# Altium PCB inj_meas.PcbDoc
Units mm, origin at the board's own origin, x right, y up, seen from the top; angles counter-clockwise.
Board outline 90 x 70 mm, 2 copper layers (Top Layer, Bottom Layer); 120 components, 55 nets, 294 pads, 47 vias.
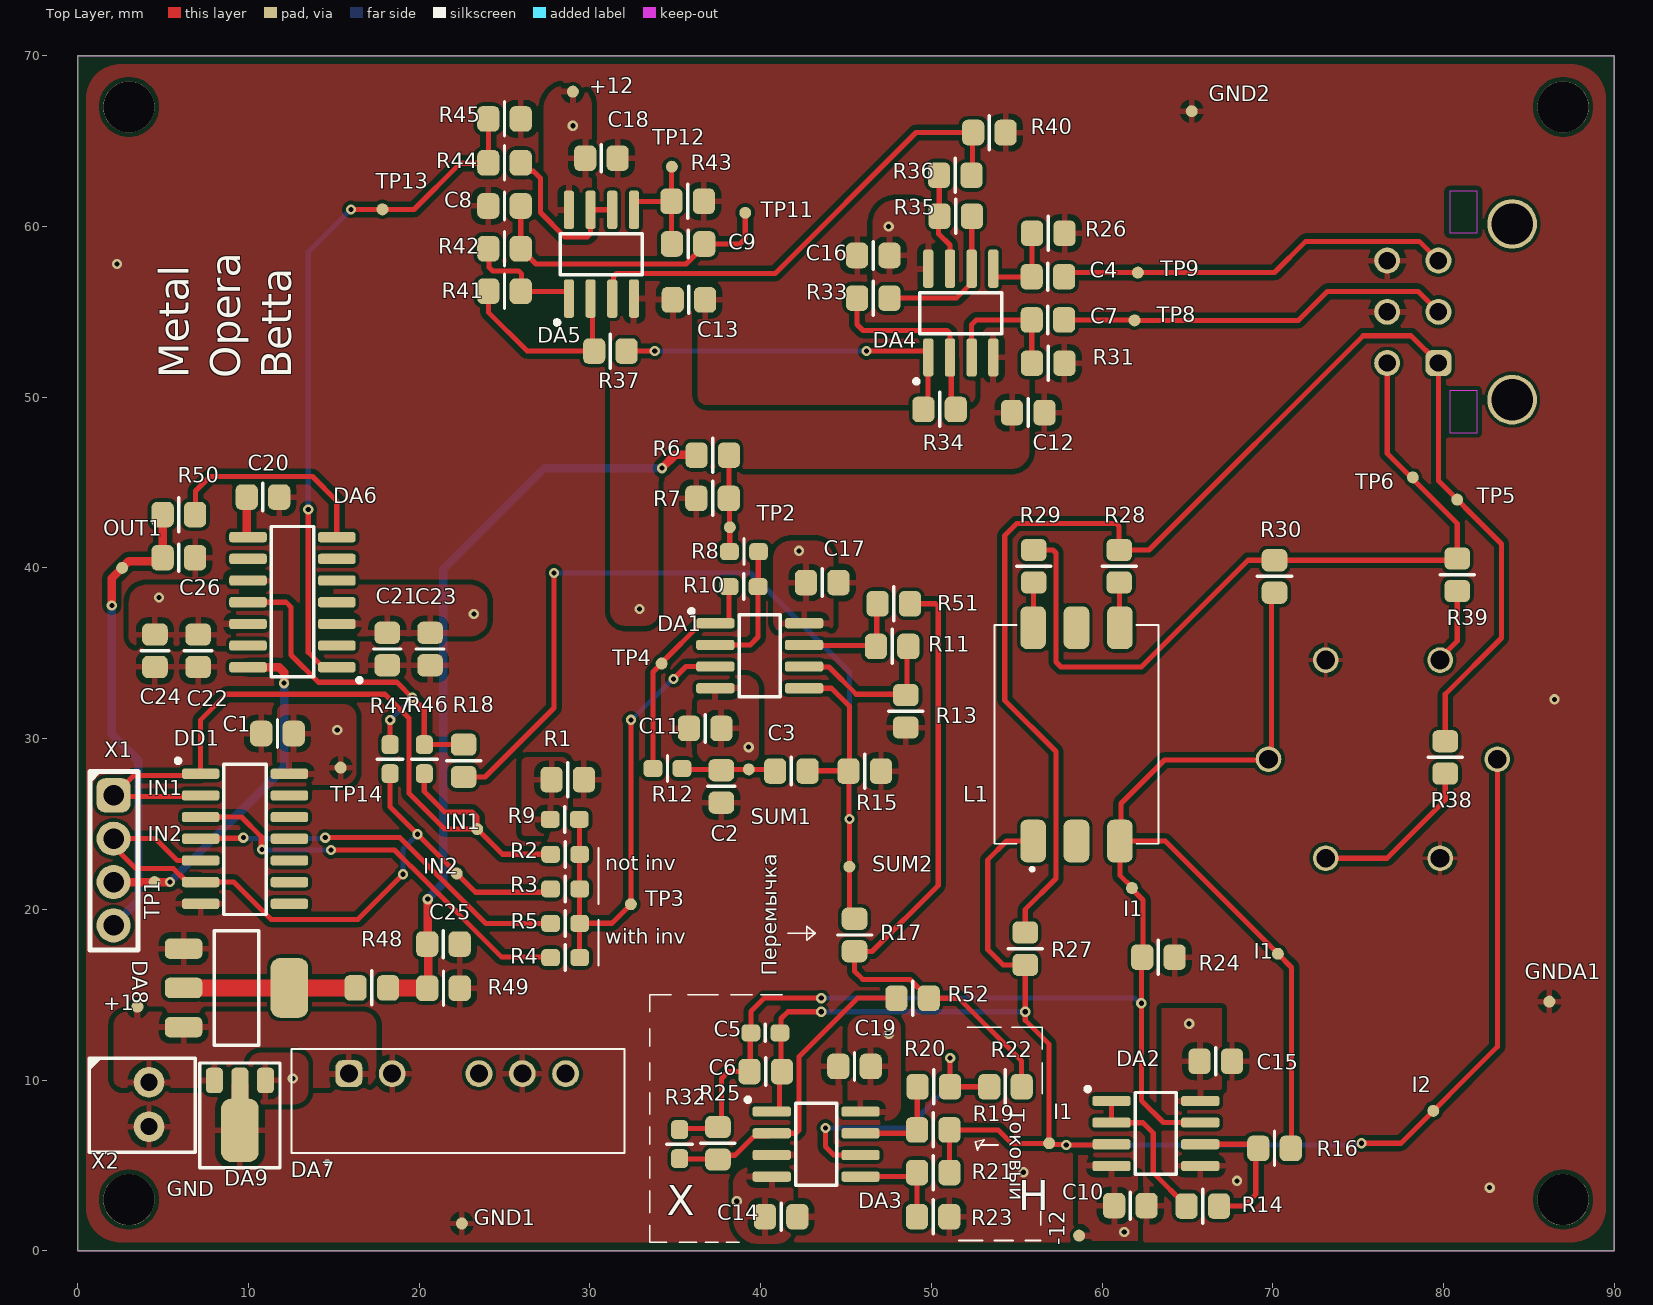
[diagram p0: Top Layer view]
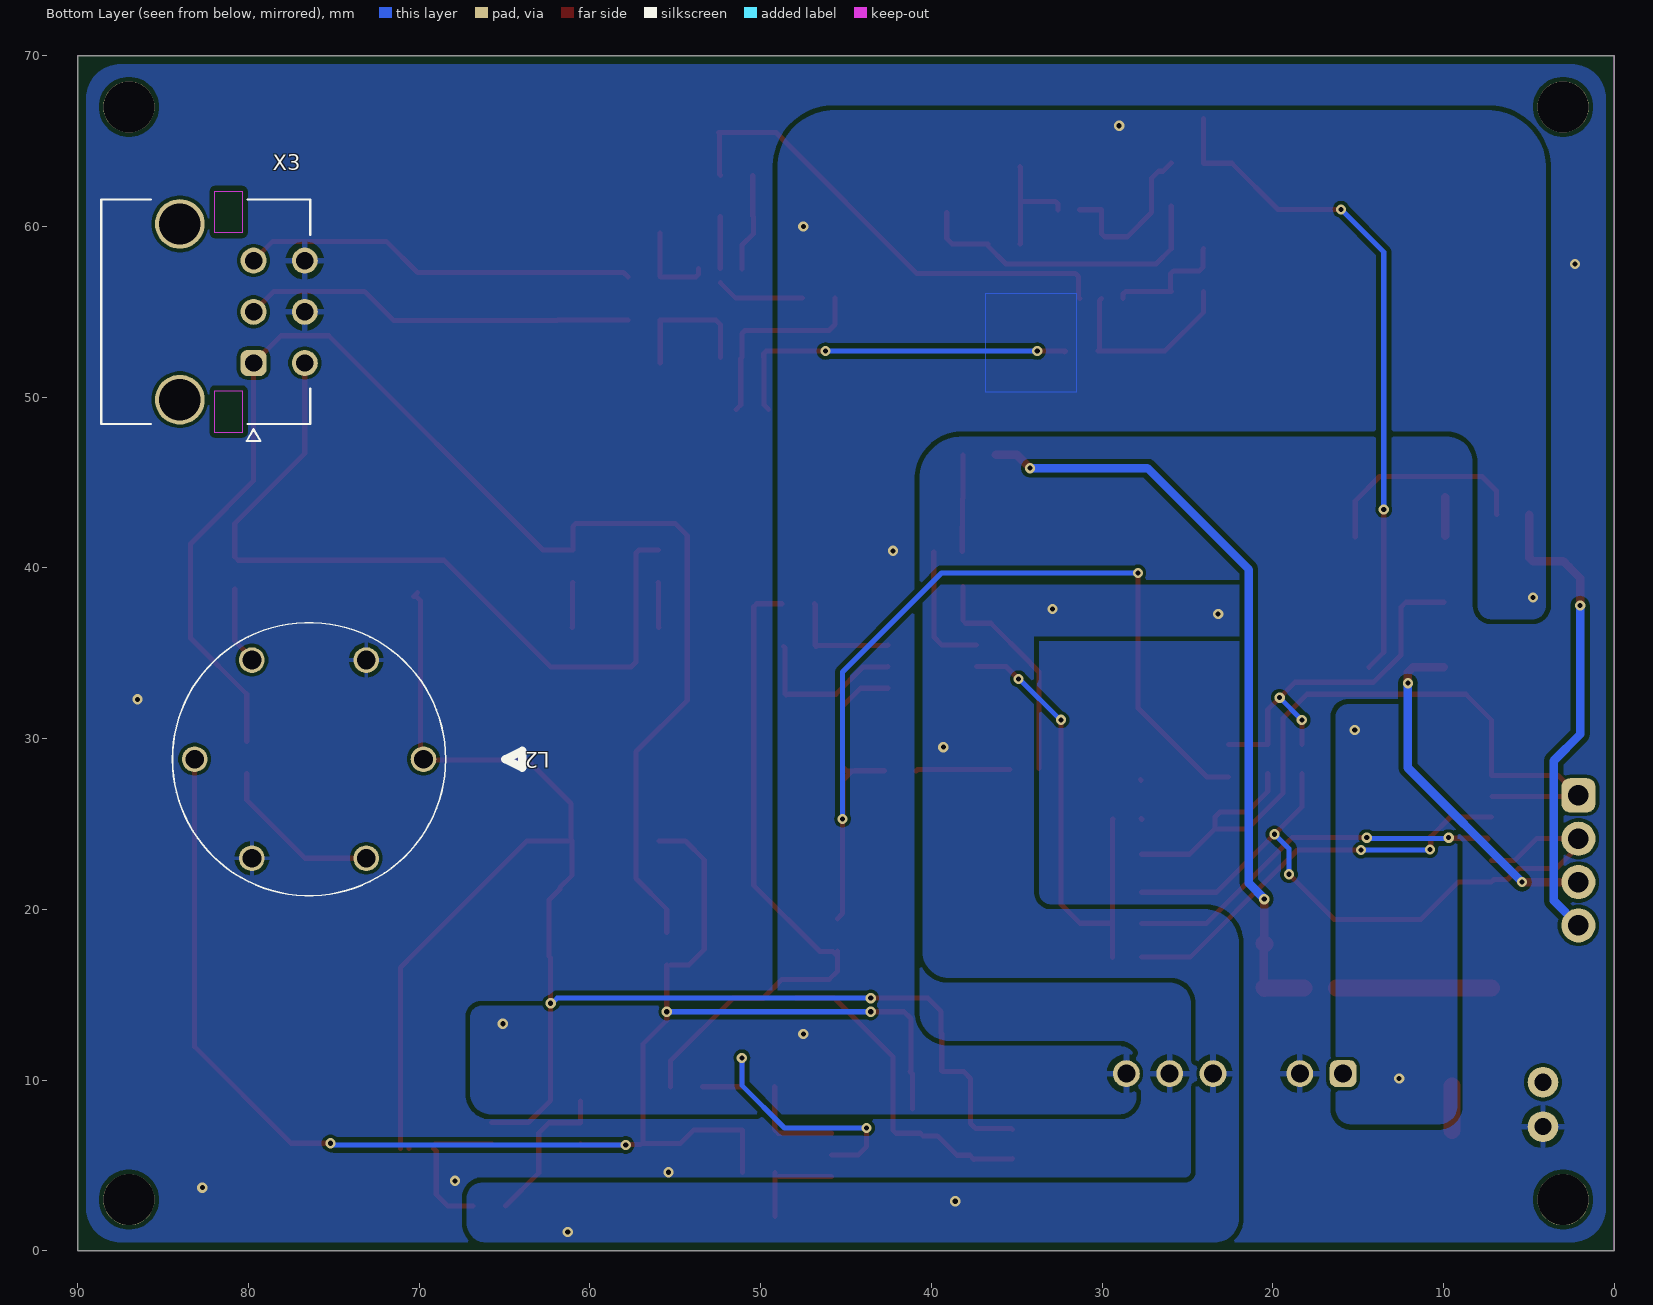
[diagram p1: Bottom Layer view, seen from below]

## Layer stack, top to bottom
Top Solder: solder mask 0.0102, Solder Resist, Dk 3.5
Top Layer: signal copper 0.0356
Dielectric 1: dielectric 0.32, FR-4, Dk 4.8
Bottom Layer: signal copper 0.0356
Bottom Solder: solder mask 0.0102, Solder Resist, Dk 3.5

## Board outline
0,0 90,0 90,70 0,70

## Design rules (kind name [scope] priority, off if disabled: settings)
AcuteAngle [All] p1: minimum=3.50000000000000E+0001 checktracksonly=FALSE
BoardOutlineClearance "BoardOutlineClearance 1" [All] p1: gap=0.25 ignorepadtopadclearanceinfootprint=FALSE except(0: Arc-SplitContinuation Track-SplitContinuation SMDPad-SplitContinuation THPad-SplitContinuation Via-SplitContinuation Fill-SplitContinuation Poly-SplitContinuation Region-SplitContinuation Text-SplitContinuation) // Milling
BoardOutlineClearance "BoardOutlineClearance 2" [All] p2: gap=0.4 ignorepadtopadclearanceinfootprint=FALSE except(0: Arc-SplitContinuation Track-SplitContinuation SMDPad-SplitContinuation THPad-SplitContinuation Via-SplitContinuation Fill-SplitContinuation Poly-SplitContinuation Region-SplitContinuation Text-SplitContinuation) // V-Cut
Clearance "Clearance 3 Oz" [InNet('No Net') vs InNet('No Net')] p1 off: gap=0.35 ignorepadtopadclearanceinfootprint=FALSE except(0.25: Arc-Hole Track-Hole SMDPad-Hole THPad-Hole Via-Hole Fill-Hole Poly-Hole Region-Hole Text-Hole)
Clearance "Clearance 2 Oz" [InNet('No Net') vs InNet('No Net')] p2 off: gap=0.3 ignorepadtopadclearanceinfootprint=FALSE except(0.25: Arc-Hole Track-Hole SMDPad-Hole THPad-Hole Via-Hole Fill-Hole Poly-Hole Region-Hole Text-Hole)
Clearance "Clearance-1 1 Oz" [All] p3: gap=0.2 ignorepadtopadclearanceinfootprint=FALSE except(0.25: Arc-Hole Track-Hole SMDPad-Hole THPad-Hole Via-Hole Fill-Hole Poly-Hole Region-Hole Text-Hole; 0.3: Arc-Fill Arc-Poly Arc-Region Track-Fill Track-Poly Track-Region Fill-Fill Fill-Poly Fill-Region Poly-Poly Poly-Region Region-Region) // Standart
Clearance "Clearance-2 1 Oz" [InNet('No Net') vs InNet('No Net')] p4: gap=0.15 ignorepadtopadclearanceinfootprint=FALSE except(0.2: Arc-Fill Arc-Poly Track-Fill Track-Poly SMDPad-Fill SMDPad-Poly THPad-Fill THPad-Poly Via-Fill Via-Poly Fill-Fill Fill-Poly Poly-Poly; 0.25: Arc-Hole Track-Hole SMDPad-Hole THPad-Hole Via-Hole Fill-Hole Poly-Hole Region-Hole Text-Hole) // Advance
Clearance "Clearance-1 1/2 Oz" [InNet('No Net') vs InNet('No Net')] p5: gap=0.125 ignorepadtopadclearanceinfootprint=FALSE except(0.2: Arc-Fill Arc-Poly Track-Fill Track-Poly SMDPad-SMDPad SMDPad-Fill SMDPad-Poly THPad-Fill THPad-Poly Via-Fill Via-Poly Fill-Fill Fill-Poly Poly-Poly Poly-Region Poly-Text; 0.25: Arc-Hole Track-Hole SMDPad-Hole THPad-Hole Via-Hole Fill-Hole Poly-Hole Region-Hole Text-Hole) // Standart
Clearance "Clearance-2 1/2 Oz" [InNet('No Net') vs InNet('No Net')] p6: gap=0.1 ignorepadtopadclearanceinfootprint=FALSE except(0.15: Arc-Fill Arc-Poly Track-Fill Track-Poly SMDPad-SMDPad SMDPad-Fill SMDPad-Poly THPad-Fill THPad-Poly Via-Fill Via-Poly Fill-Fill Fill-Poly Poly-Poly Poly-Region Poly-Text; 0.25: Arc-Hole Track-Hole SMDPad-Hole THPad-Hole Via-Hole Fill-Hole Poly-Hole Region-Hole Text-Hole) // Advance
DiffPairsRouting "DiffPairsRouting 1 Oz" [All] p1: maxlimit=0.254 minlimit=0.2 mostfreqgap=0.254 toplayer_minwidth=0.2 toplayer_maxwidth=0.381 toplayer_prefwidth=0.381 bottomlayer_minwidth=0.2 bottomlayer_maxwidth=0.381 bottomlayer_prefwidth=0.381 maxuncoupledlength=12.7
DiffPairsRouting "DiffPairsRouting 1/2 Oz" [All] p2: maxlimit=0.254 minlimit=0.1 mostfreqgap=0.254 toplayer_minwidth=0.1 toplayer_maxwidth=0.381 toplayer_prefwidth=0.381 bottomlayer_minwidth=0.1 bottomlayer_maxwidth=0.381 bottomlayer_prefwidth=0.381 maxuncoupledlength=12.7
HoleSize "Minimum HoleSize" [IsPad] p1: absolutevalues=TRUE maxlimit=5.9 minlimit=0.6 maxpercent=80.000 minpercent=20.000
HoleSize "Minimum HoleSize VIA 1" [IsVia] p2: absolutevalues=TRUE maxlimit=5.9 minlimit=0.3 maxpercent=80.000 minpercent=20.000 // Standart
HoleSize "Minimum HoleSize VIA 2" [IsVia] p3: absolutevalues=TRUE maxlimit=5.9 minlimit=0.2 maxpercent=80.000 minpercent=20.000 // Advance
HoleToHoleClearance Hole2HoleClearance [All] p1: gap=0.25 allowstackedmicrovias=FALSE
MinimumAnnularRing "Minimum AR VIA Standart" [IsVia] p1: minimumring=0.15
MinimumAnnularRing "Minimum AR PAD Standart" [IsPAD] p2: minimumring=0.2
MinimumAnnularRing "Minimum AR VIA Advance" [IsVia] p3: minimumring=0.1
MinimumAnnularRing "Minimum AR PAD Advance" [IsPAD] p4: minimumring=0.15
MinimumSolderMaskSliver "SolderMask Bridge Standart" [All] p1: minsoldermaskwidth=0.1 // All Masks
MinimumSolderMaskSliver "SolderMask Bridge Advance" [All] p2: minsoldermaskwidth=0.1 // Mask LDI
PlaneClearance "PlaneClearance 3 Oz" [InNet('No Net')] p1: clearance=0.35
PlaneClearance "PlaneClearance 2 Oz" [InNet('No Net')] p2: clearance=0.3
PlaneClearance "PlaneClearance 1 Oz" [All] p3: clearance=0.2
PlaneClearance "PlaneClearance-1 1/2 Oz" [InNet('No Net')] p4: clearance=0.2 // Standart
PlaneClearance "PlaneClearance-2 1/2 Oz" [InNet('No Net')] p5: clearance=0.15 // Advance
PlaneConnect "TermalConnect 3 Oz" [All] p1: planeconnectstyle=Relief reliefexpansion=0.2 reliefentries=4 reliefconductorwidth=0.35 reliefairgap=0.35 // Standart
PlaneConnect "TermalConnect 2 Oz" [All] p2: planeconnectstyle=Relief reliefexpansion=0.2 reliefentries=4 reliefconductorwidth=0.3 reliefairgap=0.3 // Standart
PlaneConnect "TermalConnect-1 1 Oz" [All] p3: planeconnectstyle=Relief reliefexpansion=0.2 reliefentries=4 reliefconductorwidth=0.2 reliefairgap=0.2 // Standart
PlaneConnect "TermalConnect-2 1 Oz" [All] p4: pad.planeconnectstyle=Relief pad.reliefexpansion=0.15 pad.reliefentries=4 pad.reliefconductorwidth=0.2 pad.reliefairgap=0.2 via.planeconnectstyle=Direct via.reliefexpansion=0.15 via.reliefentries=4 via.reliefconductorwidth=0.15 via.reliefairgap=0.15 // Advance
PlaneConnect "TermalConnect-1 1/2 Oz" [All] p5: planeconnectstyle=Relief reliefexpansion=0.2 reliefentries=4 reliefconductorwidth=0.2 reliefairgap=0.2 // Standart
PlaneConnect "TermalConnect-2 1/2 Oz" [All] p6: pad.planeconnectstyle=Relief pad.reliefexpansion=0.15 pad.reliefentries=4 pad.reliefconductorwidth=0.15 pad.reliefairgap=0.15 via.planeconnectstyle=Direct via.reliefexpansion=0.15 via.reliefentries=4 via.reliefconductorwidth=0.15 via.reliefairgap=0.15 // Advance
PolygonConnect "PolygonConnect 3 Oz" [All] p1: thpad.connectstyle=Relief thpad.reliefconductorwidth=0.35 thpad.reliefentries=4 thpad.polygonreliefangle="90 Angle" thpad.airgapwidth=0.35 smdpad.connectstyle=Relief smdpad.reliefconductorwidth=0.35 smdpad.reliefentries=4 smdpad.polygonreliefangle="90 Angle" smdpad.airgapwidth=0.35 via.connectstyle=Direct via.reliefconductorwidth=0.254 via.reliefentries=4 via.polygonreliefangle="90 Angle" via.airgapwidth=0.254
PolygonConnect "PolygonConnect 2 Oz" [InNet('No Net') vs InNet('No Net')] p2: thpad.connectstyle=Relief thpad.reliefconductorwidth=0.3 thpad.reliefentries=4 thpad.polygonreliefangle="90 Angle" thpad.airgapwidth=0.3 smdpad.connectstyle=Relief smdpad.reliefconductorwidth=0.3 smdpad.reliefentries=4 smdpad.polygonreliefangle="90 Angle" smdpad.airgapwidth=0.3 via.connectstyle=Direct via.reliefconductorwidth=0.254 via.reliefentries=4 via.polygonreliefangle="90 Angle" via.airgapwidth=0.254
PolygonConnect "PolygonConnect-1 1 Oz" [InNet('No Net') vs InNet('No Net')] p3: thpad.connectstyle=Relief thpad.reliefconductorwidth=0.2 thpad.reliefentries=4 thpad.polygonreliefangle="90 Angle" thpad.airgapwidth=0.2 smdpad.connectstyle=Relief smdpad.reliefconductorwidth=0.2 smdpad.reliefentries=4 smdpad.polygonreliefangle="90 Angle" smdpad.airgapwidth=0.2 via.connectstyle=Direct via.reliefconductorwidth=0.254 via.reliefentries=4 via.polygonreliefangle="90 Angle" via.airgapwidth=0.254 // Standart
PolygonConnect "PolygonConnect-2 1 Oz" [InNet('No Net') vs InNet('No Net')] p4: thpad.connectstyle=Relief thpad.reliefconductorwidth=0.15 thpad.reliefentries=4 thpad.polygonreliefangle="90 Angle" thpad.airgapwidth=0.15 smdpad.connectstyle=Relief smdpad.reliefconductorwidth=0.15 smdpad.reliefentries=4 smdpad.polygonreliefangle="90 Angle" smdpad.airgapwidth=0.15 via.connectstyle=Direct via.reliefconductorwidth=0.254 via.reliefentries=4 via.polygonreliefangle="90 Angle" via.airgapwidth=0.254 // Advance
PolygonConnect "PolygonConnect-1 1/2 Oz" [InNet('No Net') vs InNet('No Net')] p5: thpad.connectstyle=Relief thpad.reliefconductorwidth=0.15 thpad.reliefentries=4 thpad.polygonreliefangle="90 Angle" thpad.airgapwidth=0.2 smdpad.connectstyle=Relief smdpad.reliefconductorwidth=0.2 smdpad.reliefentries=4 smdpad.polygonreliefangle="90 Angle" smdpad.airgapwidth=0.2 via.connectstyle=Direct via.reliefconductorwidth=0.254 via.reliefentries=4 via.polygonreliefangle="90 Angle" via.airgapwidth=0.254 // Standart
PolygonConnect "PolygonConnect-2 1/2 Oz" [InNet('No Net') vs InNet('No Net')] p6: thpad.connectstyle=Relief thpad.reliefconductorwidth=0.125 thpad.reliefentries=4 thpad.polygonreliefangle="90 Angle" thpad.airgapwidth=0.15 smdpad.connectstyle=Relief smdpad.reliefconductorwidth=0.125 smdpad.reliefentries=4 smdpad.polygonreliefangle="90 Angle" smdpad.airgapwidth=0.15 via.connectstyle=Direct via.reliefconductorwidth=0.254 via.reliefentries=4 via.polygonreliefangle="90 Angle" via.airgapwidth=0.254 // Advance
RoutingCorners [All] p1 off: cornerstyle=45-Degree minsetback=2.54 maxsetback=2.54
RoutingVias [All] p1: holewidth=0.3 width=0.6 viastyle="Through Hole" minholewidth=0.2 minwidth=0.4 maxholewidth=5.9 maxwidth=6.4
SilkToSilkClearance Silk2SilkClearance [All] p1 off: silktosilkclearance=0.15
SilkToSolderMaskClearance Silk2SolderMaskClearance [IsPad] p1 off: minsilkscreentomaskgap=0.15 clearancetoexposedcopper=TRUE
SolderMaskExpansion SolderMaskExpansion-1 [All] p1: expansion=0.05 istentingtop=FALSE // Standart
SolderMaskExpansion "SolderMaskExpansion LDI" [All] p2: expansion=0.025 istentingtop=FALSE // Advance
UnRoutedNet [All] p1: checkbadconnections=TRUE
Width "Width 3 Oz" [All] p1 off: maxlimit=10 minlimit=0.3 preferedwidth=0.4 minimp=50.000000 maximp=50.000000 favimp=50.000000 checkconnectedcopper=TRUE
Width "Width 2 Oz" [All] p2 off: maxlimit=10 minlimit=0.3 preferedwidth=0.35 minimp=50.000000 maximp=50.000000 favimp=50.000000 checkconnectedcopper=TRUE
Width "Width 1 Oz" [All] p3: maxlimit=10 minlimit=0.15 preferedwidth=0.2 checkconnectedcopper=TRUE
Width "Width 1/2 Oz" [All] p4: maxlimit=10 minlimit=0.1 preferedwidth=0.125 checkconnectedcopper=TRUE
20 further rules are at their usual default settings.

## Components (designator, comment, footprint, x,y, rotation, side; value= is the part's Value field where it differs from the comment)
+1 "Test point" "Test Point" 3.5,14.3 r90 top net-tie
+12 "Test point" "Test Point" 29,67.9 r90 top net-tie (schematic designator +2)
-12 "Test point" "Test Point" 58.65,0.891 r90 top net-tie (schematic designator -1)
C1 "0.1u 50V 0805 ±10%" "CAP: SMD 0805 MD IPC 782" 11.7,30.3 r180 top
C2 "6.8n 50V 0805 ±5%" "CAP: SMD 0805 MD IPC 782" 37.7,27.2 r270 top
C3 "0.1u 50V 0805 ±10%" "CAP: SMD 0805 MD IPC 782" 41.8,28.1 r180 top
C4 "6.8n 50V 0805 ±5%" "CAP: SMD 0805 MD IPC 782" 56.825,57.05 r0 top
C5 "47p 50V 0603 ±10%" "CAP: SMD 0603 MD IPC 782" 40.279,12.764 r0 top
C6 "51p 50V 0805 ±5%" "CAP: SMD 0805 MD IPC 782" 40.3,10.5 r0 top
C7 "6.8n 50V 0805 ±5%" "CAP: SMD 0805 MD IPC 782" 56.825,54.525 r0 top
C8 "6.8n 50V 0805 ±5%" "CAP: SMD 0805 MD IPC 782" 25,61.2 r180 top
C9 "6.8n 50V 0805 ±5%" "CAP: SMD 0805 MD IPC 782" 35.75,58.975 r0 top
C10 "0.1u 50V 0805 ±10%" "CAP: SMD 0805 MD IPC 782" 61.657,2.648 r180 top
C11 "0.1u 50V 0805 ±10%" "CAP: SMD 0805 MD IPC 782" 36.75,30.6 r0 top
C12 "0.1u 50V 0805 ±10%" "CAP: SMD 0805 MD IPC 782" 55.674,49.097 r180 top
C13 "0.1u 50V 0805 ±10%" "CAP: SMD 0805 MD IPC 782" 35.8,55.7 r180 top
C14 "0.1u 50V 0805 ±10%" "CAP: SMD 0805 MD IPC 782" 41.2,2 r180 top
C15 "0.1u 50V 0805 ±10%" "CAP: SMD 0805 MD IPC 782" 66.658,11.1 r180 top
C16 "0.1u 50V 0805 ±10%" "CAP: SMD 0805 MD IPC 782" 46.6,58.3 r0 top
C17 "0.1u 50V 0805 ±10%" "CAP: SMD 0805 MD IPC 782" 43.603,39.141 r180 top
C18 "0.1u 50V 0805 ±10%" "CAP: SMD 0805 MD IPC 782" 30.675,64 r180 top
C19 "0.1u 50V 0805 ±10%" "CAP: SMD 0805 MD IPC 782" 45.5,10.8 r0 top
C20 "0.01u 50V 0805 ±5%" "CAP: SMD 0805 MD IPC 782" 10.849,44.149 r0 top
C21 "10u 50V 0805 ±10%" "CAP: SMD 0805 MD IPC 782" 18.125,35.25 r270 top
C22 "10u 50V 0805 ±10%" "CAP: SMD 0805 MD IPC 782" 7.05,35.15 r270 top
C23 "0.1u 50V 0805 ±10%" "CAP: SMD 0805 MD IPC 782" 20.64,35.249 r270 top
C24 "0.1u 50V 0805 ±10%" "CAP: SMD 0805 MD IPC 782" 4.525,35.15 r270 top
C25 "0.1u 50V 0805 ±10%" "CAP: SMD 0805 MD IPC 782" 21.421,17.964 r0 top
C26 "6.8n 50V 0805 ±5%" "CAP: SMD 0805 MD IPC 782" 5.925,40.6 r0 top
DA1 "AD8028" "IC: SOIC 8" 39.946,34.856 r0 top
DA2 "AD8028" "IC: SOIC 8" 63.15,6.875 r0 top
DA3 "AD8028" "IC: SOIC 8" 43.25,6.25 r0 top
DA4 "AD8028" "IC: SOIC 8" 51.725,54.925 r90 top
DA5 "AD8028" "IC: SOIC 8" 30.675,58.375 r90 top
DA6 "LF398" "IC: SOIC 14" 12.575,38.025 r180 top
DA7 "DPU01L-12" SIP-6 23.5,8.6 r0 top
DA8 "AMS 1117-3.3" "IC: SOT 223" 9.3,15.4 r0 top
DA9 "78L05" "IC: SOT 89" 9.5,8 r270 top
DD1 "4093" "IC: SOIC 14" 9.8,24.1 r0 top
GND1 "Test point" "Test Point" 22.5,1.6 r90 top net-tie
GND2 "Test point" "Test Point" 65.25,66.75 r0 top net-tie
GNDA1 "Test point" "Test Point" 86.2,14.6 r90 top net-tie
I1 "Test point" "Test Point" 70.3,17.4 r90 top net-tie (schematic designator I4)
I1 "Test point" "Test Point" 61.75,21.25 r90 top net-tie (schematic designator I2)
I1 "Test point" "Test Point" 56.9,6.3 r90 top net-tie
I2 "Test point" "Test Point" 79.4,8.2 r90 top net-tie (schematic designator I3)
IN1 "Test point" "Test Point" 23.4,24.7 r90 top net-tie
IN2 "Test point" "Test Point" 22.2,22.1 r90 top net-tie
L1 "SM-LP-5001" "IND: SM-LP-5001E" 58.5,30 r90 top
L2 "МИТ-12" МИТ-12 76.45,28.798 r270 bottom
OUT1 "Test point" "Test Point" 2.6,40 r0 top net-tie
R1 "0 ±1% 0805" "RES: SMD 0805 MD IPC 782" 28.7,27.6 r180 top
R2 "680 ±1% 0603" "RES: SMD 0603 MD IPC 782" 28.55,23.225 r0 top
R3 "680 ±1% 0603" "RES: SMD 0603 MD IPC 782" 28.55,21.196 r0 top
R4 "680 ±1% 0603" "RES: SMD 0603 MD IPC 782" 28.55,17.175 r0 top
R5 "680 ±1% 0603" "RES: SMD 0603 MD IPC 782" 28.55,19.175 r0 top
R6 "0 ±1% 0805" "RES: SMD 0805 MD IPC 782" 37.196,46.603 r180 top
R7 "0 ±1% 0805" "RES: SMD 0805 MD IPC 782" 37.183,44.071 r0 top
R8 "1k ±1% 0603" "RES: SMD 0603 MD IPC 782" 39.025,40.95 r0 top
R9 "1k ±1% 0603" "RES: SMD 0603 MD IPC 782" 28.525,25.275 r0 top
R10 "3k ±1% 0603" "RES: SMD 0603 MD IPC 782" 39,38.9 r180 top
R11 "7.5k ±1% 0805" "RES: SMD 0805 MD IPC 782" 47.7,35.4 r0 top
R12 "200 ±1% 0603" "RES: SMD 0603 MD IPC 782" 34.542,28.25 r0 top
R13 "51 ±1% 0805" "RES: SMD 0805 MD IPC 782" 48.5,31.6 r90 top
R14 "2k ±1% 0805" "RES: SMD 0805 MD IPC 782" 65.901,2.621 r0 top
R15 "1k ±1% 0805" "RES: SMD 0805 MD IPC 782" 46.1,28.1 r180 top
R16 "2k ±1% 0805" "RES: SMD 0805 MD IPC 782" 70.1,6 r0 top
R17 "0 ±1% 0805" "RES: SMD 0805 MD IPC 782" 45.5,18.5 r90 top
R18 "0 ±1% 0805" "RES: SMD 0805 MD IPC 782" 22.6,28.7 r90 top
R19 "1k ±1% 0805" "RES: SMD 0805 MD IPC 782" 50.114,7.084 r0 top
R20 "2k ±1% 0805" "RES: SMD 0805 MD IPC 782" 50.139,9.609 r0 top
R21 "1k ±1% 0805" "RES: SMD 0805 MD IPC 782" 50.114,4.584 r180 top
R22 "2k ±1% 0805" "RES: SMD 0805 MD IPC 782" 54.339,9.609 r0 top
R23 "2k ±1% 0805" "RES: SMD 0805 MD IPC 782" 50.1,2 r0 top
R24 "0 ±1% 0805" "RES: SMD 0805 MD IPC 782" 63.3,17.2 r180 top
R25 "0 ±1% 0805" "RES: SMD 0805 MD IPC 782" 37.5,6.3 r270 top